# Altium PCB Arribada-PMP-PCB.PcbDoc (part 1 of 3)
Units mm, origin at the board's own origin, x right, y up, seen from the top; angles counter-clockwise.
Board outline 176.52 x 112.75 mm, 2 copper layers (Top Layer, Bottom Layer), stack 1.671 mm thick; 155 components, 107 nets, 633 pads, 984 vias.
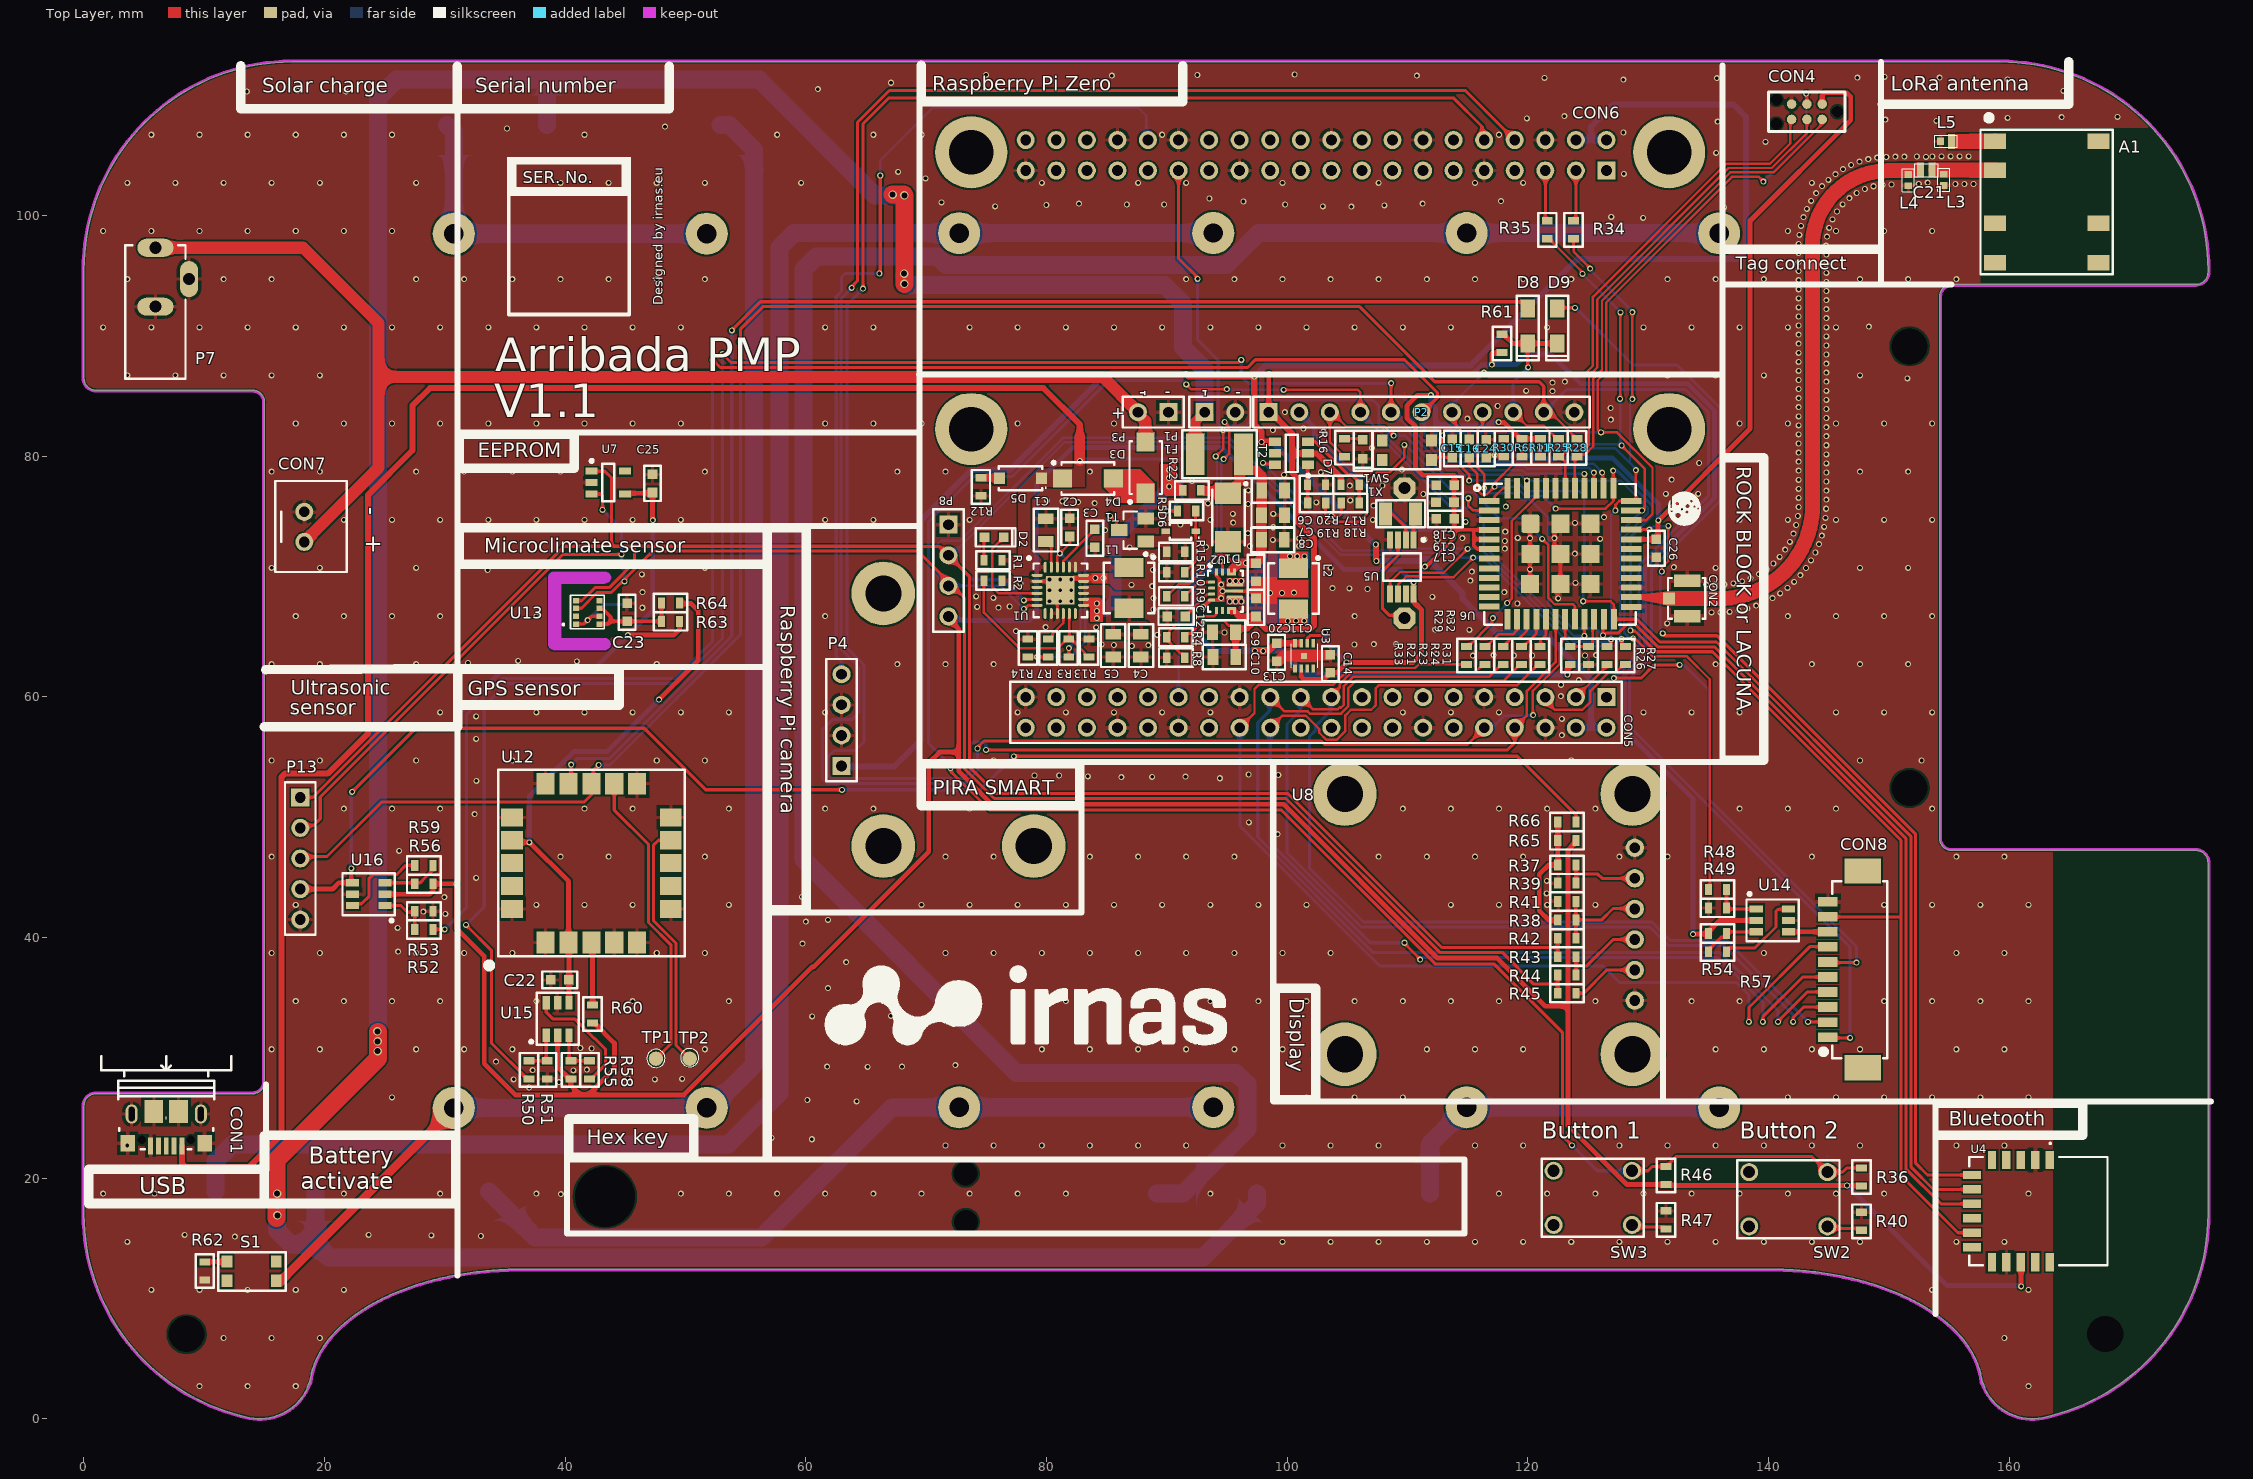
[diagram p0: Top Layer view]
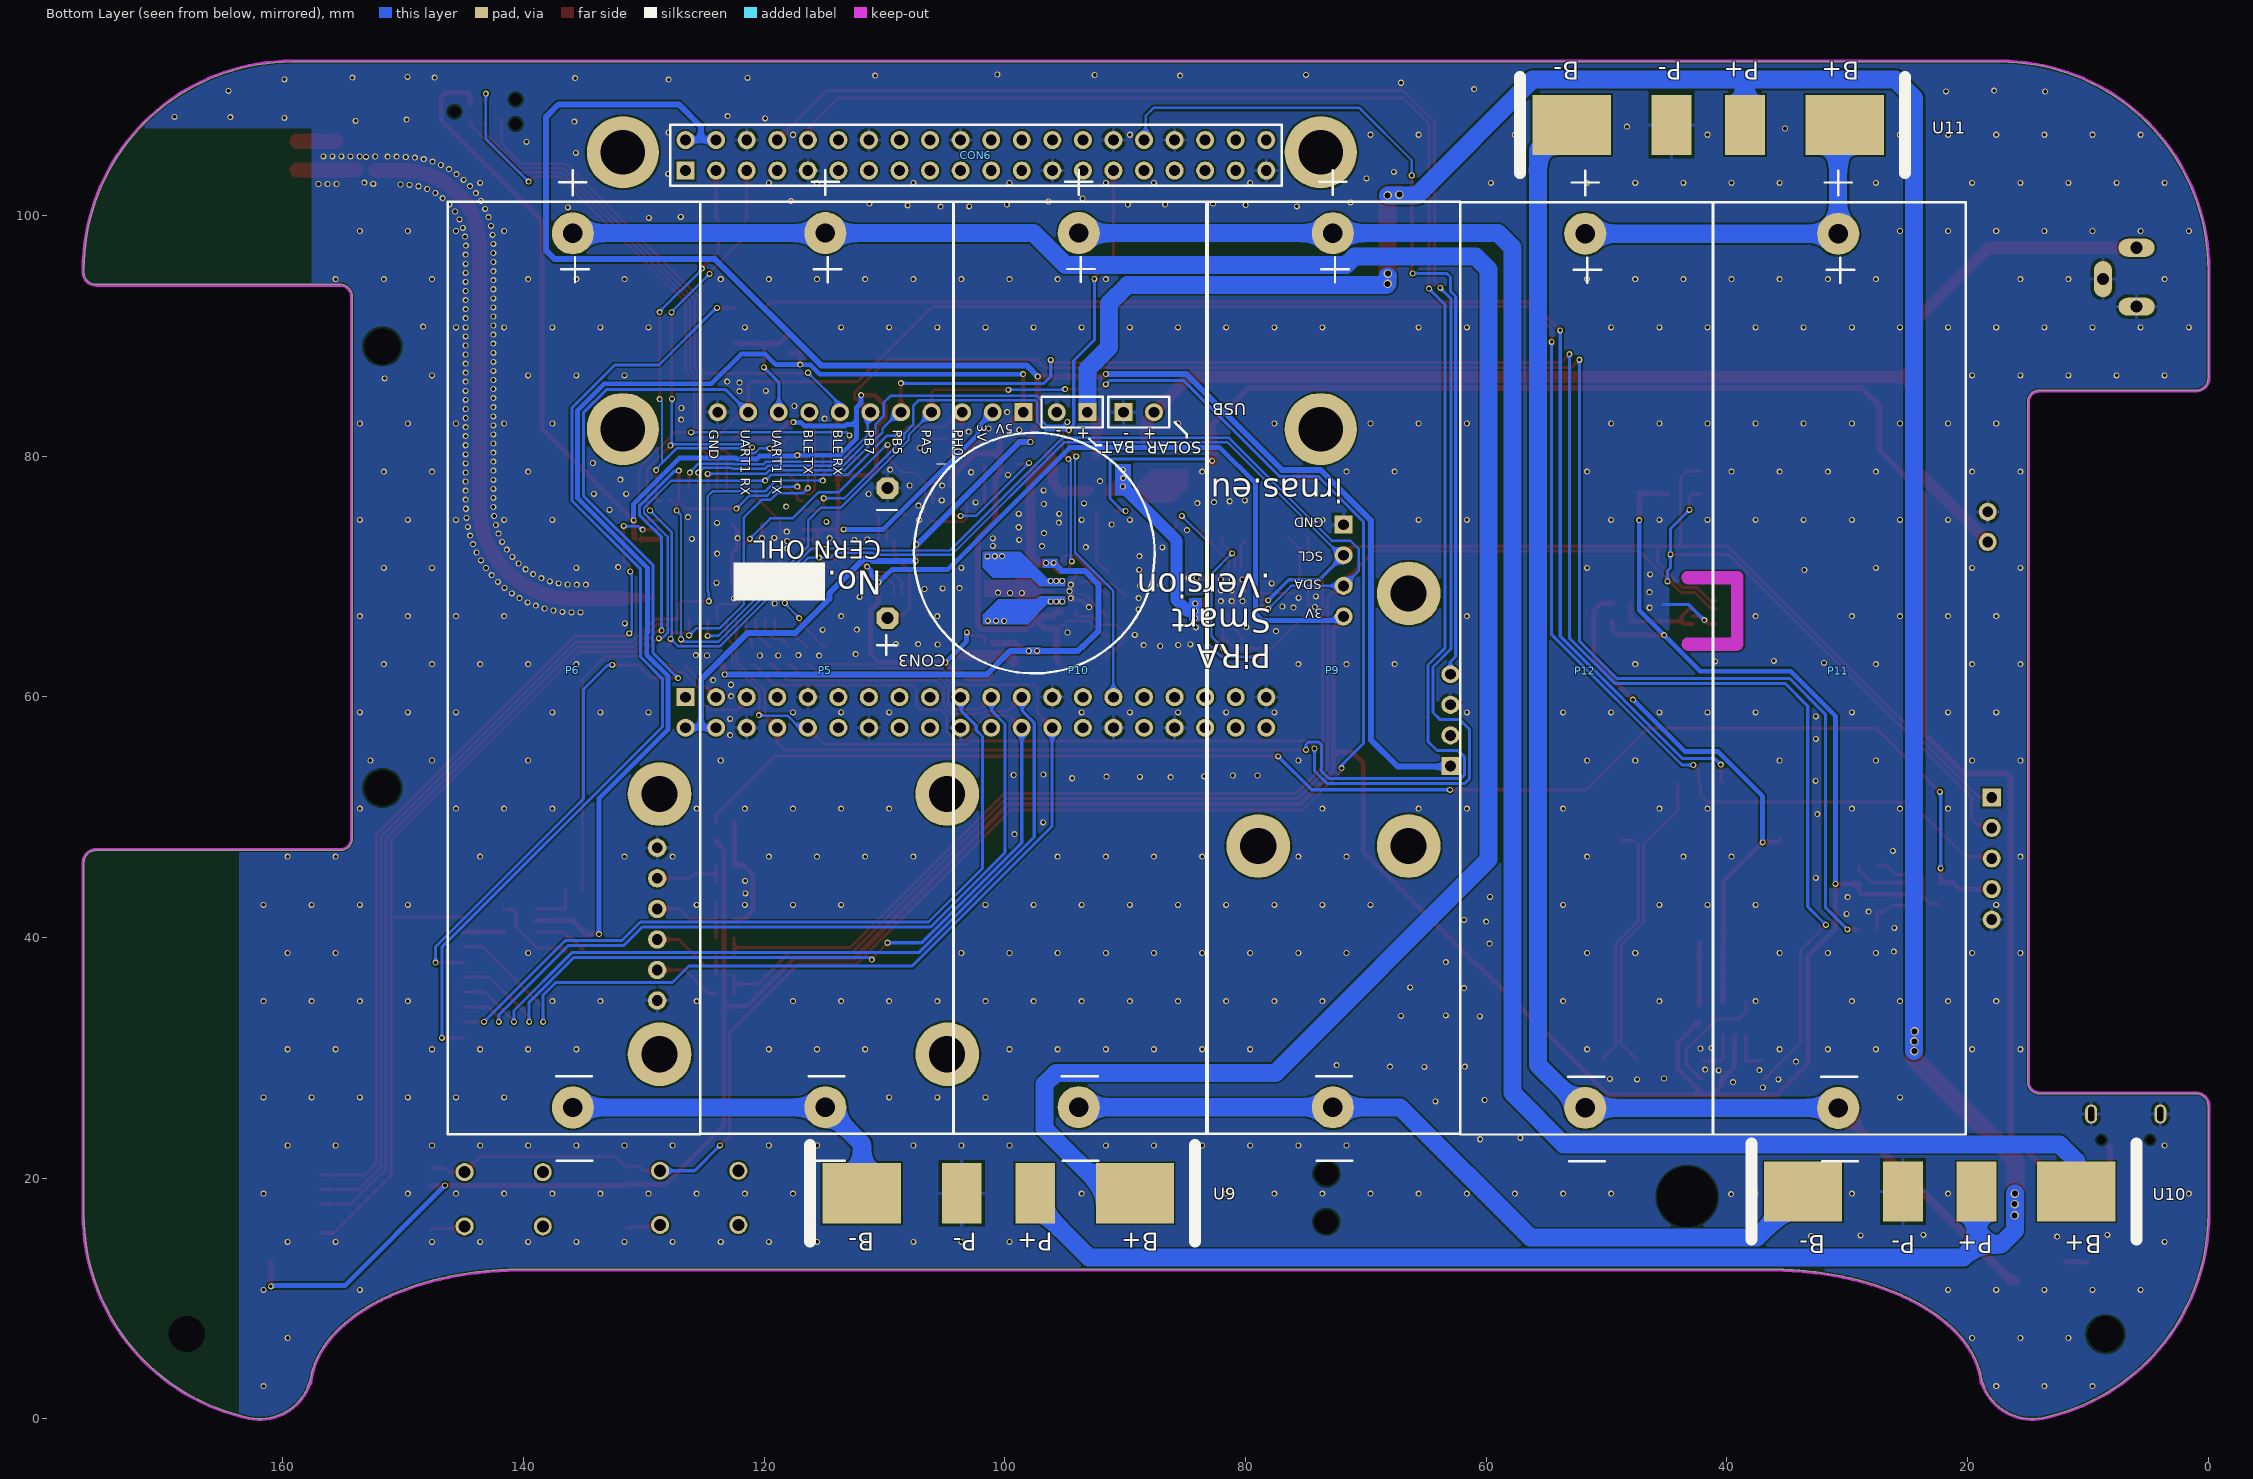
[diagram p1: Bottom Layer view, seen from below]

## Layer stack, top to bottom
Top Solder: solder mask 0.0102, Solder Resist, Dk 3.5
Top Layer: signal copper 0.0356
Dielectric 1: dielectric 1.6, FR-4, Dk 4.8
Bottom Layer: signal copper 0.0356
Bottom Solder: solder mask 0.0102, Solder Resist, Dk 3.5

## Board outline
535 vertices, not listed, extent 0,0.012 176.52,112.758
cut-out: 38.615,64.381 38.615,69.911 cw(c39.115,69.911) 39.115,70.412 43.265,70.412 cw(c43.265,69.911) 43.765,69.911 cw(c43.265,69.911) 43.265,69.411 39.615,69.411 39.615,64.882 43.231,64.882 cw(c43.231,64.381) 43.731,64.381 cw(c43.231,64.381) 43.231,63.881 39.115,63.881 cw(c39.115,64.381)
cut-out: 44.085,64.971

## Design rules (kind name [scope] priority, off if disabled: settings)
Clearance [All] p1: gap=0.152 ignorepadtopadclearanceinfootprint=FALSE
HoleSize [All] p1: absolutevalues=TRUE maxlimit=10 minlimit=0.025 maxpercent=80.000 minpercent=20.000
MinimumSolderMaskSliver [All] p1: minsoldermaskwidth=0
PlaneConnect [All] p1: pad.planeconnectstyle=Relief pad.reliefexpansion=0.508 pad.reliefentries=4 pad.reliefconductorwidth=0.254 pad.reliefairgap=0.254 via.planeconnectstyle=Direct via.reliefexpansion=0.508 via.reliefentries=4 via.reliefconductorwidth=0.254 via.reliefairgap=0.254
PolygonConnect [All] p1: thpad.connectstyle=Relief thpad.reliefconductorwidth=0.3 thpad.reliefentries=4 thpad.polygonreliefangle="90 Angle" thpad.airgapwidth=0.254 smdpad.connectstyle=Relief smdpad.reliefconductorwidth=0.3 smdpad.reliefentries=4 smdpad.polygonreliefangle="90 Angle" smdpad.airgapwidth=0.254 via.connectstyle=Direct via.reliefconductorwidth=0.254 via.reliefentries=4 via.polygonreliefangle="90 Angle" via.airgapwidth=0.254
RoutingVias [All] p1: holewidth=0.3 width=0.5 viastyle="Through Hole" minholewidth=0.3 minwidth=0.5 maxholewidth=0.3 maxwidth=0.5
SilkToSilkClearance [All] p1: silktosilkclearance=0
SilkToSolderMaskClearance [IsPad] p1: minsilkscreentomaskgap=0 clearancetoexposedcopper=TRUE
SolderMaskExpansion [All] p1: expansion=0.102
Width [All] p1: maxlimit=2 minlimit=0.152 preferedwidth=0.254
Width Width_1 [(InDifferentialPairClass('All Differential Pairs'))] p2: maxlimit=2 minlimit=0.254 preferedwidth=0.254
25 further rules are at their usual default settings.

## Classes and differential pairs
component class SENSORS: C22 C23 CON8 D8 D9 P13 R48 R49 R50 R51 R52 R53 R54 R55 R56 R57 R58 R59 R60 R61 R63 R64 T3 T4 T5 TP1 TP2 U12 U13 U14 U15 U16
component class "PAGE1 - MAIN": A1 C21 L3 L4 L5
component class MCU: CON6 P4 R34 R35 R36 R37 R38 R39 R40 R41 R42 R43 R44 R45 R46 R47 R65 R66 SW2 SW3 U8
component class "BLE, LORA, RTC": C15 C16 C17 C18 C19 C24 C25 C26 CON2 CON3 CON4 CON5 D7 P2 P8 R6 R11 R16 R17 R18 R19 R20 R21 R23 R24 R25 R26 R27 R28 R29 R30 R31 R32 R33 SW1 T2 U4 U5 U6 U7 X1
component class POWER: C1 C2 C3 C4 C5 C6 C7 C8 C9 C10 C11 C12 C13 C14 C20 CON1 D1 D2 D3 D4 D5 D6 F1 L1 L2 P1 P3 R1 R2 R3 R4 R5 R7 R8 R9 R10 R12 R13 R14 R15 R22 T1 U1 U2 U3

## Components (designator, comment, footprint, x,y, rotation, side; value= is the part's Value field where it differs from the comment)
A1 "SR42I010-R" LORA_PCB_ANTENNA 163.115,101.118 r270 top
C1 "10uF /16V" CAP0805 79.937,73.851 r90 top
C2 "4u7/16V" CAP0603#1 81.937,74.051 r90 top
C3 "47n" CAP0603#1 84.037,73.151 r90 top
C4 "10uF /16V" CAP0805 87.837,64.251 r270 top
C5 "10uF /16V" CAP0805 85.537,64.251 r270 top
C6 "10uF /16V" CAP0805 98.827,77.141 r180 top
C7 "22u" CAP0805 98.807,75.091 r180 top
C8 "22u" CAP0805 98.797,73.041 r180 top
C9 "22u" CAP0805 94.747,65.351 r0 top
C10 "22u" CAP0805 94.767,63.311 r0 top
C11 "10uF/16V" CAP0603#1 97.377,67.451 r270 top
C12 "100nF" CAP0603#1 90.737,66.651 r0 top
C13 "4u7/16V" CAP0603#1 99.137,63.688 r90 top
C14 "2.2uF/6V3" CAP0603#2 103.584,62.758 r90 top
C15 "100nF" CAP0603#1 113.747,80.611 r90 top
C16 "1uF" CAP0603#1 115.092,80.656 r270 top
C17 "1uF" CAP0603#1 113.107,74.761 r0 top
C18 "100nF" CAP0603#1 113.107,77.551 r0 top
C19 "10uF" CAP0603#1 113.087,76.131 r0 top
C20 "10uF/16V" CAP0603#1 97.427,70.321 r90 top
C21 "2.2pF" CAP0402 153.105,103.763 r180 top
C22 "100nF" CAP0603#2 39.546,36.471 r180 top
C23 "100nF" CAP0603#2 45.136,67.021 r90 top
C24 "10uF" CAP0603#1 116.507,80.651 r270 top
C25 "100nF" CAP0603#1 47.22,77.756 r270 top
C26 "1uF" CAP0603#2 130.675,72.351 r90 top
CON1 "microUSB" microUSB-CHINA 6.835,24.101 r180 top
CON2 "antena conncetor" "UFL CONNECTOR SMD" 132.986,68.021 r90 top
CON3 "BATTERY" CR-2032/VCN 97.547,71.941 r270 bottom locked
CON4 "Tag connect" TC2030-IDC-NL 143.185,108.621 r180 top
CON5 "Raspberry Pi Header" HDR2X20 126.525,59.968 r180 top locked
CON6 "Raspberry Pi Header" HDR2X20 126.524,103.731 r180 bottom locked
CON7 "JST-xH" JST_2PIN_TH 18.309,72.873 r90 top
CON8 "53261-1071" "PICOBLADE 10PIN" 146.376,37.341 r90 top
D1 "RS1J-E3/61T.." SMC/DO-214AC 95.057,74.901 r270 top
D2 "LED RED" LED0603 75.637,73.251 r180 top
D3 "SE30AFG-M3/6A" SODFL127P600-8N 88.237,79.051 r90 top
D4 "SE30AFG-M3/6A" SODFL127P600-8N 83.437,78.151 r0 top
D5 "BZT52C6V2" SOD123 77.837,78.151 r180 top
D6 "3V" "SOD-323 2L" 91.137,73.751 r180 top
D7 "LED GREEN" LED0603 106.277,80.571 r90 top
D8 "1PS76SB10,115" SOD-323 119.986,89.371 r90 top
D9 "1PS76SB10,115" SOD-323 122.436,89.371 r90 top
F1 "3A" Chip2PinSM127P600-8N 94.367,80.151 r180 top
L1 "1.5uH" FDSD0402 86.837,69.051 r0 top
L2 "1.5uH" FDSD0402 100.527,68.991 r0 top
L3 "DNP" IND0402#1 154.575,102.961 r90 top
L4 "DNP" IND0402#1 151.615,102.941 r90 top
L5 "2.7nH" IND0402#2 154.745,106.158 r0 top
P1 "Header 2" HDR1X2 93.137,83.651 r0 top
P2 "Header 11" HDR1X11 98.457,83.651 r0 top locked
P3 "Header 2" HDR1X2 90.137,83.651 r180 top
P4 "Header 4" HDR1X4 62.962,54.253 r90 top locked
P5 "BAT - 18650" "BATTERY HOLDER 18650" 114.901,62.213 r180 bottom locked
P6 "BAT - 18650" "BATTERY HOLDER 18650" 135.889,62.196 r180 bottom locked
P7 "732-5922-ND" 732-5922-ND 7.335,94.868 r90 top
P8 "Header 4" HDR1X4 71.837,74.301 r270 top
P9 "BAT - 18650" "BATTERY HOLDER 18650" 72.727,62.209 r180 bottom locked
P10 "BAT - 18650" "BATTERY HOLDER 18650" 93.845,62.218 r180 bottom
P11 "BAT - 18650" "BATTERY HOLDER 18650" 30.727,62.159 r180 bottom locked
P12 "BAT - 18650" "BATTERY HOLDER 18650" 51.752,62.163 r180 bottom locked
P13 "Header 5" HDR1X5 17.974,51.641 r270 top
R1 "470R" RES0603 75.537,71.351 r180 top
R2 "B57321V2103J060" RES0603 75.537,69.651 r180 top
R3 "5k6" RES0603 81.837,64.051 r270 top
R4 "0R" RES0603 90.737,64.951 r0 top
R5 "3k9" RES0603 91.637,75.451 r180 top
R6 "4k7" RES0603 119.514,80.691 r90 top
R7 "220R" RES0603 80.137,64.051 r90 top
R8 "150k" RES0603 90.737,63.251 r0 top
R9 "10k" RES0603 90.737,68.351 r0 top
R10 "10k" RES0603 90.737,70.351 r0 top
R11 "4k7" RES0603 121.034,80.691 r90 top
R12 "10R" RES0603 74.537,77.451 r90 top
R13 "33k" RES0603 83.537,64.051 r270 top
R14 "470R" RES0603 78.437,64.051 r270 top
R15 "10k" RES0603 90.737,72.051 r180 top
R16 "1k" RES0603 104.747,80.701 r270 top
R17 "100k" RES0603 105.227,77.621 r0 top
R18 "100R" RES0603 105.237,76.101 r180 top
R19 "100R" RES0603 102.447,76.101 r0 top
R20 "100k" RES0603 102.437,77.621 r0 top
R21 "0R" RES0603 116.419,63.441 r90 top
R22 "0R" RES0603 92.067,77.161 r0 top
R23 "0R" RES0603 117.949,63.441 r90 top
R24 "0R" RES0603 119.479,63.441 r90 top
R25 "100R" RES0603 122.554,80.691 r90 top
R26 "0R" RES0603 126.567,63.431 r90 top
R27 "0R" RES0603 128.097,63.431 r90 top
R28 "100R" RES0603 124.076,80.691 r90 top
R29 "226K" RES0603 123.517,63.431 r270 top
R30 "100k" RES0603 117.987,80.691 r270 top
R31 "0R" RES0603 120.999,63.441 r270 top
R32 "100k" RES0603 125.037,63.431 r90 top
R33 "0R" RES0603 114.899,63.441 r270 top
R34 "0R" RES0603 123.793,98.812 r90 top
R35 "0R" RES0603 121.613,98.812 r90 top
R36 "10k" RES0603 147.721,20.093 r270 top
R37 "0R" RES0603 123.237,46.033 r0 top
R38 "0R" RES0603 123.237,41.463 r0 top
R39 "0R" RES0603 123.237,44.513 r0 top
R40 "2k2" RES0603 147.721,16.413 r90 top
R41 "0R" RES0603 123.237,42.983 r0 top
R42 "0R" RES0603 123.237,39.933 r0 top
R43 "0R" RES0603 123.237,38.403 r0 top
R44 "0R" RES0603 123.237,36.883 r0 top
R45 "0R" RES0603 123.237,35.363 r0 top
R46 "10k" RES0603 131.481,20.213 r270 top
R47 "1k" RES0603 131.481,16.533 r90 top
R48 "100R" RES0603 135.756,43.983 r180 top
R49 "100k" RES0603 135.756,42.461 r180 top
R50 "100R" RES0603 36.977,28.998 r270 top
R51 "100k" RES0603 38.495,28.998 r270 top
R52 "100R" RES0603 28.246,40.661 r0 top
R53 "100k" RES0603 28.246,42.181 r0 top
R54 "100k" RES0603 135.756,40.341 r180 top
R55 "100k" RES0603 40.482,28.998 r270 top
R56 "100k" RES0603 28.246,44.461 r0 top
R57 "100R" RES0603 135.756,38.811 r180 top
R58 "100R" RES0603 42.005,28.998 r90 top
R59 "100R" RES0603 28.246,45.991 r0 top
R60 "100R" RES0603 42.265,33.644 r90 top
R61 "10k" RES0603 117.836,89.371 r270 top
R62 "100R" RES0603 10.035,12.281 r270 top
R63 "0R" RES0603 48.745,66.271 r180 top
R64 "0R" RES0603 48.745,67.791 r0 top
R65 "0R" RES0603 123.235,48.071 r0 top
R66 "0R" RES0603 123.235,49.591 r0 top
S1 "BTN - KMR221NGLFS" SW 14.015,12.101 r180 top
SW1 "KMR221NG LFS" "TACTILE BUTTON" 110.1,80.226 r180 top
SW2 "BTN - B3F-1070" "BTN B3F-1070" 144.891,15.993 r180 top
SW3 "BTN - B3F-1070" "BTN B3F-1070" 128.641,16.113 r180 top
T1 "MMBT3904" SOT23127P600-8N 87.137,73.851 r180 top
T2 "DMG6602SVT" TSOT26#1 100.367,80.231 r180 top
TP1 "TestPoint" TestPoint:1.2x1.2mm#1 47.536,29.951 r180 top
TP2 "TestPoint" TestPoint:1.2x1.2mm#2 50.336,30.011 r180 top
U1 "BQ24296RGET" QFN4x4 81.137,68.851 r180 top
U2 "TPS630701RNMT" "VQFN TPS" 94.677,68.781 r270 top
U3 "MCP1810T-30I/J8A" VDFN_2x2 101.397,63.401 r0 top
U4 "RN4871" RN4871 161.346,17.191 r270 top
U5 "ISL1208IU8Z-T7A" TSOP65P500X110-8N 109.527,70.791 r270 top
U6 "Lora Module ES0" "LORA MODULE ES0" 123.037,71.911 r0 top
U7 "24AA02E48T-I/OT" SOT95P280X145-5N 43.57,77.806 r0 top
U8 "OLED SSD1306" "OLED SSD1306" 116.832,41.104 r270 top locked
U9 "BATTERY PROTECTION" "BATTERY PROTECTION" 100.526,18.736 r270 bottom
U10 "BATTERY PROTECTION" "BATTERY PROTECTION" 22.3,18.89 r270 bottom
U11 "BATTERY PROTECTION" "BATTERY PROTECTION" 41.536,107.517 r270 bottom
U12 "Ublox SAM-M8Q" SAM-M8Q 42.171,46.181 r0 top
U13 "BME280" BME280 41.86,67.021 r180 top
U14 "DMG6602SVT" TSOT26#2 140.316,41.421 r0 top
U15 "DMG6602SVT" TSOT26#2 39.366,33.231 r90 top
U16 "DMG6602SVT" TSOT26#2 23.676,43.596 r180 top
X1 "32.768KHZ" LFXTAL009678 109.417,75.181 r0 top
? "SERIAL NUMBER" "SERIAL NUMBER" 39.905,96.471 r0 top

## Footprints (in the part's own frame and the unit in brackets; to place one, negate y for a bottom-side part, rotate by r counter-clockwise, add the part's x,y. Pads: shape width x height; smd on the part's side, far side on the other; paste and mask are expansions set on the pad)
732-5922-ND [mm]
  oval 1.5x3 hole 1: 1(2.45,1.4) 2(-2.45,1.4)
  oval 3x1.5 hole 1: 3(-0.15,-1.4)
  silkscreen extent -8.45,-1.1 2.65,3.9
"BATTERY HOLDER 18650" [mm]
  round 3.5 hole 1.6: 1(-0.006,36.322) 2(-0.006,-36.322)
  silkscreen extent -10.39,-40.76 10.61,41.57, body extent -10.48,-38.86 10.52,39.14, height 21.1
"BATTERY PROTECTION" [mm]
  rect 5x6.5 smd: 1(0,11.35) 4(0,-11.35)
  rect 5x3.3 smd: 2(0,3.05) 3(0,-3.05)
  silkscreen extent -4,-15.65 4,16.35
BME280 [mm]
  rect 0.49x0.45 smd: 1(0.97,0.975) 2(0.97,0.325) 3(0.97,-0.325) 4(0.97,-0.975) 5(-0.97,-0.975) 6(-0.97,-0.325) 7(-0.97,0.325) 8(-0.97,0.975)
  silkscreen extent -1.37,-1.42 2.06,1.37, body extent -1.27,-1.27 1.23,1.23, height 0.92
"BTN B3F-1070" [mm]
  round 1.5 hole 1: 1(0,0) 2(6.5,0) 3(6.5,-4.5) 4(0,-4.5)
  silkscreen extent -1,-5.5 7.5,0.97, body extent -0.65,-5.4 7.25,0.8, height 9.5
CAP0402 [mm] "Chip Capacitor, 2-Leads, Body 1.00x0.50mm, IPC Medium Density"
  rect 0.6x1.25 smd: 1(-0.48,0) 2(0.48,0)
  silkscreen extent -0.97,-0.53 0.97,0.53, body extent -0.55,-0.3 0.55,0.3, height 0.45
CAP0603#1 [mm]
  rect 0.8x0.8 smd: 1(-0.725,0.025) 2(0.775,0.025)
  silkscreen extent -1.44,-0.67 1.49,0.72, body extent -0.77,-0.37 0.83,0.43, height 0.9
CAP0603#2 [mm]
  rect 0.8x0.8 smd: 1(-0.75,0) 2(0.75,0)
  silkscreen extent -1.46,-0.7 1.46,0.7, body extent -0.8,-0.4 0.8,0.4, height 0.9
CAP0805 [mm]
  rect 0.9x1.3 smd: 1(-0.95,0) 2(0.95,0)
  silkscreen extent -1.78,-1.02 1.78,1.02, body extent -1,-0.6 1,0.6, height 1.5
Chip2PinSM127P600-8N [mm]
  rect 1.55x3.45 smd: 1(-2,0) 2(2,0)
  silkscreen extent -3.1,-2 3.1,2, body extent -2.41,-1.7 2.41,1.71, height 1.94
CR-2032/VCN [mm]
  oct 1.8x1.8 hole 1: NEG(-5.4,-12.2) POS(5.4,-12.2)
  silkscreen extent -10,-10 10,10, body extent -9.96,-16.37 10.06,10.15, height 4.13
FDSD0402 [mm]
  rect 2.4x1.6 smd: 1(0,1.7) 2(0,-1.7)
  silkscreen extent -2.1,-2.1 2.16,2.66, body extent -2.1,-2.2 2.1,2.2, height 2.1
HDR1X2 [mm] "Connector; Header; 2 Position"
  rect 1.5x1.5 hole 0.9: 1(0,0)
  round 1.5 hole 0.9: 2(2.54,0)
  silkscreen extent -1.27,-1.27 3.81,1.27
HDR1X4 [mm] "Connector; Header; 4 Position"
  rect 1.5x1.5 hole 0.9: 1(0,0)
  round 1.5 hole 0.9: 2(2.54,0) 3(5.08,0) 4(7.62,0)
  silkscreen extent -1.27,-1.27 8.89,1.27
HDR1X5 [mm] "Connector; Header; 5 Position"
  rect 1.5x1.5 hole 0.9: 1(0,0)
  round 1.5 hole 0.9: 2(2.54,0) 3(5.08,0) 4(7.62,0) 5(10.16,0)
  silkscreen extent -1.27,-1.27 11.43,1.27
HDR1X11 [mm] "Connector; Header; 11 Position"
  rect 1.5x1.5 hole 0.9: 1(0,0)
  round 1.5 hole 0.9: 2(2.54,0) 3(5.08,0) 4(7.62,0) 5(10.16,0) 6(12.7,0) 7(15.24,0) 8(17.78,0) 9(20.32,0) 10(22.86,0) 11(25.4,0)
  silkscreen extent -1.27,-1.27 26.67,1.27
HDR2X20 [mm] "Connector; Header; 20x2 Position"
  rect 1.5x1.5 hole 0.9: 1(0,0)
  round 1.5 hole 0.9: 2(0,2.54) 3(2.54,0) 4(2.54,2.54) 5(5.08,0) 6(5.08,2.54) 7(7.62,0) 8(7.62,2.54) 9(10.16,0) 10(10.16,2.54) 11(12.7,0) 12(12.7,2.54) 13(15.24,0) 14(15.24,2.54) 15(17.78,0) 16(17.78,2.54) 17(20.32,0) 18(20.32,2.54) 19(22.86,0) 20(22.86,2.54) 21(25.4,0) 22(25.4,2.54) 23(27.94,0) 24(27.94,2.54) 25(30.48,0) 26(30.48,2.54) 27(33.02,0) 28(33.02,2.54) 29(35.56,0) 30(35.56,2.54) 31(38.1,0) 32(38.1,2.54) 33(40.64,0) 34(40.64,2.54) 35(43.18,0) 36(43.18,2.54) 37(45.72,0) 38(45.72,2.54) 39(48.26,0) 40(48.26,2.54)
  silkscreen extent -1.27,-1.27 49.53,3.81
IND0402#1 [mm] "Chip Inductor, 2-Leads, Body 1.00x0.50mm, IPC Medium Density"
  rect 0.57x0.62 smd: 1(-0.47,0) 2(0.47,0)
  silkscreen extent -0.95,-0.5 0.95,0.5, body extent -0.52,-0.27 0.53,0.28, height 0.55
IND0402#2 [mm] "Chip Inductor, 2-Leads, Body 1.00x0.50mm, IPC Medium Density"
  rect 0.57x0.62 smd: 1(-0.47,0)
  rect 0.57x1.25 smd: 2(0.47,0)
  silkscreen extent -0.95,-0.5 0.95,0.5, body extent -0.52,-0.27 0.53,0.28, height 0.55
JST_2PIN_TH [mm]
  round 1.5 hole 0.9: 1(0,0) 2(2.5,0)
  silkscreen extent -2.5,-3.54 5.06,2.4, body extent -2.44,-3.45 4.96,2.31, height 7
LED0603 [mm]
  rect 0.8x0.8 smd: 1(-0.8,0) 2(0.8,0)
  silkscreen extent -1.78,-0.76 1.52,0.76, body extent -0.85,-0.4 0.85,0.4, height 0.66
LFXTAL009678 [mm]
  rect 1.1x1.9 smd: 1(-1.25,0) 2(1.25,0)
  silkscreen extent -2.03,-1.1 2.03,1.14, body extent -1.65,-0.89 1.65,0.89, height 0.9